# Altium PCB MB1166.PcbDoc (part 7 of 39) (continued)
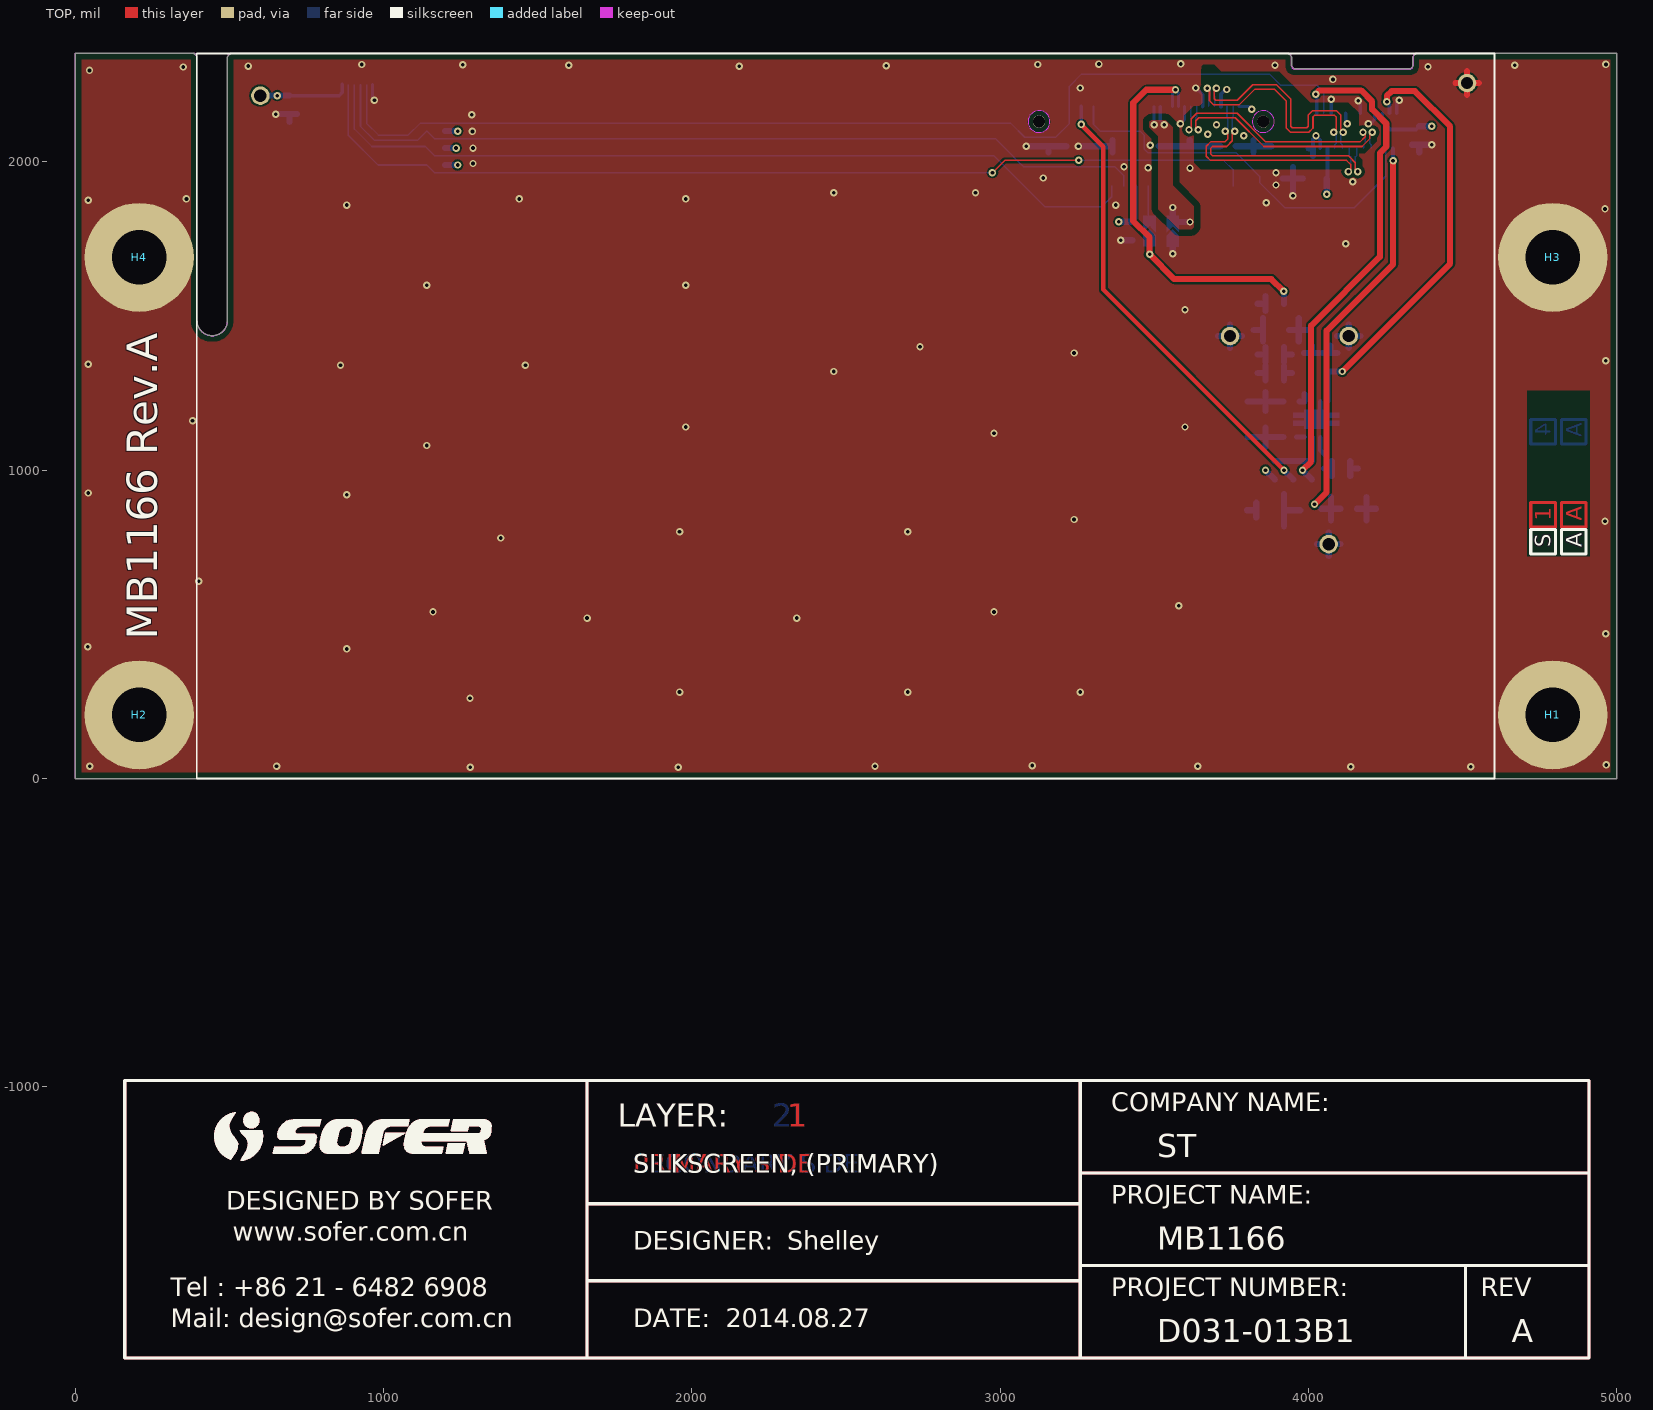
[diagram p0: TOP view]
## Nets (pads, with @x,y where several pads share a name; then routed paths per layer and width w, separated by ;. In a path a pad name is that pad's centre, name@x,y a point inside that pad or via, vN(x,y) a via of type N, cw(c..) or ccw(c..) an arc to the next point about the centre after c; other vN are vias at no path point) (continued)
933.73,-1197.57 ; 933.73,-1197.57 933.81,-1197.17 ; 933.73,-1197.57 933.81,-1197.17 ; 933.81,-1197.17 933.83,-1197.08 ; 933.81,-1197.17 933.83,-1197.08 ; 933.83,-1197.08 933.89,-1196.78 ; 933.83,-1197.08 933.89,-1196.78 ; 933.89,-1196.78 933.91,-1196.69 ; 933.89,-1196.78 933.91,-1196.69 ; 933.91,-1196.69 933.99,-1196.29 ; 933.91,-1196.69 933.99,-1196.29 ; 933.99,-1196.29 934.01,-1196.2 ; 933.99,-1196.29 934.01,-1196.2 ; 934.01,-1196.2 934.03,-1196.1 ; 934.01,-1196.2 934.03,-1196.1 ; 934.03,-1196.1 934.06,-1196 ; 934.03,-1196.1 934.06,-1196 ; 934.06,-1196 934.1,-1195.8 ; 934.06,-1196 934.1,-1195.8 ; 934.1,-1195.8 934.12,-1195.71 ; 934.1,-1195.8 934.12,-1195.71 ; 934.12,-1195.71 934.18,-1195.41 ; 934.12,-1195.71 934.18,-1195.41 ; 934.18,-1195.41 934.2,-1195.32 ; 934.18,-1195.41 934.2,-1195.32 ; 934.2,-1195.32 934.28,-1194.92 ; 934.2,-1195.32 934.28,-1194.92 ; 934.28,-1194.92 934.3,-1194.83 ; 934.28,-1194.92 934.3,-1194.83 ; 934.3,-1194.83 934.38,-1194.43 ; 934.3,-1194.83 934.38,-1194.43 ; 934.38,-1194.43 934.4,-1194.34 ; 934.38,-1194.43 934.4,-1194.34 ; 934.4,-1194.34 934.44,-1194.14 ; 934.4,-1194.34 934.44,-1194.14 ; 934.44,-1194.14 934.47,-1194.04 ; 934.44,-1194.14 934.47,-1194.04 ; 934.47,-1194.04 934.49,-1193.94 ; 934.47,-1194.04 934.49,-1193.94 ; 934.49,-1193.94 934.51,-1193.85 ; 934.49,-1193.94 934.51,-1193.85 ; 934.51,-1193.85 934.57,-1193.55 ; 934.51,-1193.85 934.57,-1193.55 ; 934.57,-1193.55 934.59,-1193.46 ; 934.57,-1193.55 934.59,-1193.46 ; 934.59,-1193.46 934.67,-1193.06 ; 934.59,-1193.46 934.67,-1193.06 ; 934.67,-1193.06 934.69,-1192.97 ; 934.67,-1193.06 934.69,-1192.97 ; 934.69,-1192.97 934.77,-1192.57 ; 934.69,-1192.97 934.77,-1192.57 ; 934.77,-1192.57 934.79,-1192.48 ; 934.77,-1192.57 934.79,-1192.48 ; 934.79,-1192.48 934.81,-1192.38 ; 934.78,-1192.52 1020.57,-1106.74 934.78,-1192.52 ; 934.79,-1192.48 934.81,-1192.38 ; 934.81,-1192.38 934.84,-1192.28 ; 934.81,-1192.38 934.84,-1192.28 ; 934.84,-1192.28 934.86,-1192.18 ; 934.84,-1192.28 934.86,-1192.18 ; 934.86,-1192.18 934.88,-1192.09 ; 934.86,-1192.18 934.88,-1192.09 ; 934.88,-1192.09 934.96,-1191.69 ; 934.88,-1192.09 934.96,-1191.69 ; 934.96,-1191.69 934.98,-1191.6 ; 934.96,-1191.69 934.98,-1191.6 ; 934.98,-1191.6 935.06,-1191.2 ; 934.98,-1191.6 935.06,-1191.2 ; 935.06,-1191.2 935.08,-1191.11 ; 935.06,-1191.2 935.08,-1191.11 ; 935.08,-1191.11 935.14,-1190.81 ; 935.08,-1191.11 935.14,-1190.81 ; 935.14,-1190.81 935.16,-1190.72 ; 935.14,-1190.81 935.16,-1190.72 ; 935.16,-1190.72 935.18,-1190.62 ; 935.16,-1190.72 935.18,-1190.62 ; 935.18,-1190.62 935.21,-1190.52 ; 935.18,-1190.62 935.21,-1190.52 ; 935.21,-1190.52 935.25,-1190.32 ; 935.21,-1190.52 935.25,-1190.32 ; 935.25,-1190.32 935.27,-1190.23 ; 935.25,-1190.32 935.27,-1190.23 ; 935.27,-1190.23 935.35,-1189.83 ; 935.27,-1190.23 935.35,-1189.83 ; 935.35,-1189.83 935.37,-1189.74 ; 935.35,-1189.83 935.37,-1189.74 ; 935.37,-1189.74 935.43,-1189.44 ; 935.37,-1189.74 935.43,-1189.44 ; 935.43,-1189.44 935.45,-1189.35 ; 935.43,-1189.44 935.45,-1189.35 ; 935.45,-1189.35 935.51,-1189.05 ; 935.45,-1189.35 935.51,-1189.05 ; 935.51,-1189.05 935.54,-1188.95 ; 935.51,-1189.05 935.54,-1188.95 ; 935.54,-1188.95 935.56,-1188.86 ; 935.54,-1188.95 935.56,-1188.86 ; 935.56,-1188.86 935.64,-1188.46 ; 935.56,-1188.86 935.64,-1188.46 ; 935.64,-1188.46 935.66,-1188.37 ; 935.64,-1188.46 935.66,-1188.37 ; 935.66,-1188.37 935.72,-1188.07 ; 935.66,-1188.37 935.72,-1188.07 ; 935.72,-1188.07 935.74,-1187.98 ; 935.72,-1188.07 935.74,-1187.98 ; 935.74,-1187.98 935.8,-1187.68 ; 935.74,-1187.98 935.8,-1187.68 ; 935.8,-1187.68 935.83,-1187.58 ; 935.8,-1187.68 935.83,-1187.58 ; 935.83,-1187.58 935.85,-1187.49 ; 935.83,-1187.58 935.85,-1187.49 ; 935.85,-1187.49 935.91,-1187.19 ; 935.85,-1187.49 935.91,-1187.19 ; 935.91,-1187.19 935.93,-1187.1 ; 935.91,-1187.19 935.93,-1187.1 ; 935.93,-1187.1 936.01,-1186.7 ; 935.93,-1187.1 936.01,-1186.7 ; 936.01,-1186.7 936.03,-1186.61 ; 936.01,-1186.7 936.03,-1186.61 ; 936.03,-1186.61 936.07,-1186.41 ; 936.03,-1186.61 936.07,-1186.41 ; 936.07,-1186.41 936.1,-1186.31 ; 936.07,-1186.41 936.1,-1186.31 ; 936.1,-1186.31 936.12,-1186.21 ; 936.1,-1186.31 936.12,-1186.21 ; 936.12,-1186.21 936.14,-1186.12 ; 936.12,-1186.21 936.14,-1186.12 ; 936.14,-1186.12 936.2,-1185.82 ; 936.14,-1186.12 936.2,-1185.82 ; 936.2,-1185.82 936.22,-1185.73 ; 936.2,-1185.82 936.22,-1185.73 ; 936.22,-1185.73 936.3,-1185.33 ; 936.22,-1185.73 936.3,-1185.33 ; 936.3,-1185.33 936.32,-1185.24 ; 936.3,-1185.33 936.32,-1185.24 ; 936.32,-1185.24 936.34,-1185.14 ; 936.32,-1185.24 936.34,-1185.14 ; 936.34,-1185.14 936.37,-1185.04 ; 936.34,-1185.14 936.37,-1185.04 ; 936.37,-1185.04 936.39,-1184.94 ; 936.37,-1185.04 936.39,-1184.94 ; 936.39,-1184.94 936.41,-1184.85 ; 936.39,-1184.94 936.41,-1184.85 ; 936.41,-1184.85 936.49,-1184.45 ; 936.41,-1184.85 936.49,-1184.45 ; 936.49,-1184.45 936.51,-1184.36 ; 936.49,-1184.45 936.51,-1184.36 ; 936.51,-1184.36 936.57,-1184.06 ; 936.51,-1184.36 936.57,-1184.06 ; 936.57,-1184.06 936.6,-1183.97 ; 936.57,-1184.06 936.6,-1183.97 ; 936.6,-1183.97 936.68,-1183.57 ; 936.6,-1183.97 936.68,-1183.57 ; 936.68,-1183.57 936.7,-1183.48 ; 936.68,-1183.57 936.7,-1183.48 ; 936.7,-1183.48 936.76,-1183.18 ; 936.7,-1183.48 936.76,-1183.18 ; 936.76,-1183.18 936.78,-1183.09 ; 936.76,-1183.18 936.78,-1183.09 ; 936.78,-1183.09 936.81,-1182.99 ; 936.78,-1183.09 936.81,-1182.99 ; 936.81,-1182.99 936.87,-1182.69 ; 936.81,-1182.99 936.87,-1182.69 ; 936.87,-1182.69 936.89,-1182.6 ; 936.87,-1182.69 936.89,-1182.6 ; 936.89,-1182.6 936.95,-1182.3 ; 936.89,-1182.6 936.95,-1182.3 ; 936.95,-1182.3 936.97,-1182.21 ; 936.95,-1182.3 936.97,-1182.21 ; 936.97,-1182.21 936.99,-1182.11 ; 936.97,-1182.21 936.99,-1182.11 ; 936.99,-1182.11 937.02,-1182.01 ; 936.99,-1182.11 937.02,-1182.01 ; 937.02,-1182.01 937.06,-1181.81 ; 937.02,-1182.01 937.06,-1181.81 ; 937.06,-1181.81 937.08,-1181.72 ; 937.06,-1181.81 937.08,-1181.72 ; 937.08,-1181.72 937.14,-1181.42 ; 937.08,-1181.72 937.14,-1181.42 ; 937.14,-1181.42 937.16,-1181.33 ; 937.14,-1181.42 937.16,-1181.33 ; 937.16,-1181.33 937.18,-1181.23 ; 937.16,-1181.33 937.18,-1181.23 ; 937.18,-1181.23 937.21,-1181.13 ; 937.18,-1181.23 937.21,-1181.13 ; 937.21,-1181.13 937.25,-1180.93 ; 937.21,-1181.13 937.25,-1180.93 ; 937.25,-1180.93 937.27,-1180.84 ; 937.25,-1180.93 937.27,-1180.84 ; 937.27,-1180.84 937.33,-1180.54 ; 937.27,-1180.84 937.33,-1180.54 ; 937.33,-1180.54 937.35,-1180.45 ; 937.33,-1180.54 937.35,-1180.45 ; 937.35,-1180.45 937.37,-1180.35 ; 937.35,-1180.45 937.37,-1180.35 ; 937.37,-1180.35 937.4,-1180.25 ; 937.37,-1180.35 937.4,-1180.25 ; 937.4,-1180.25 937.42,-1180.15 ; 937.4,-1180.25 937.42,-1180.15 ; 937.42,-1180.15 937.44,-1180.06 ; 937.42,-1180.15 937.44,-1180.06 ; 937.44,-1180.06 937.52,-1179.66 ; 937.44,-1180.06 937.52,-1179.66 ; 937.52,-1179.66 937.54,-1179.57 ; 937.52,-1179.66 937.54,-1179.57 ; 937.54,-1179.57 937.57,-1179.47 ; 937.54,-1179.57 937.57,-1179.47 ; 937.57,-1179.47 937.61,-1179.27 ; 937.57,-1179.47 937.61,-1179.27 ; 937.61,-1179.27 937.63,-1179.18 ; 937.61,-1179.27 937.63,-1179.18 ; 937.63,-1179.18 937.69,-1178.88 ; 937.63,-1179.18 937.69,-1178.88 ; 937.69,-1178.88 937.72,-1178.79 ; 937.69,-1178.88 937.72,-1178.79 ; 937.72,-1178.79 937.8,-1178.39 ; 937.72,-1178.79 937.8,-1178.39 ; 937.8,-1178.39 937.82,-1178.3 ; 937.8,-1178.39 937.82,-1178.3 ; 937.82,-1178.3 937.86,-1178.1 ; 937.82,-1178.3 937.86,-1178.1 ; 937.86,-1178.1 937.89,-1178 ; 937.86,-1178.1 937.89,-1178 ; 937.89,-1178 937.91,-1177.91 ; 937.89,-1178 937.91,-1177.91 ; 937.91,-1177.91 937.97,-1177.61 ; 937.91,-1177.91 937.97,-1177.61 ; 937.97,-1177.61 937.99,-1177.52 ; 937.97,-1177.61 937.99,-1177.52 ; 937.99,-1177.52 938.01,-1177.42 ; 937.99,-1177.52 938.01,-1177.42 ; 938.01,-1177.42 938.04,-1177.32 ; 938.01,-1177.42 938.04,-1177.32 ; 938.04,-1177.32 938.08,-1177.12 ; 938.04,-1177.32 938.08,-1177.12 ; 938.08,-1177.12 938.1,-1177.03 ; 938.08,-1177.12 938.1,-1177.03 ; 938.1,-1177.03 938.14,-1176.83 ; 938.1,-1177.03 938.14,-1176.83 ; 938.14,-1176.83 938.17,-1176.73 ; 938.14,-1176.83 938.17,-1176.73 ; 938.17,-1176.73 938.19,-1176.64 ; 938.17,-1176.73 938.19,-1176.64 ; 938.19,-1176.64 938.25,-1176.34 ; 938.19,-1176.64 938.25,-1176.34 ; 938.25,-1176.34 938.27,-1176.25 ; 938.25,-1176.34 938.27,-1176.25 ; 938.27,-1176.25 938.29,-1176.15 ; 938.27,-1176.25 938.29,-1176.15 ; 938.29,-1176.15 938.32,-1176.05 ; 938.29,-1176.15 938.32,-1176.05 ; 938.32,-1176.05 938.34,-1175.95 ; 938.32,-1176.05 938.34,-1175.95 ; 938.34,-1175.95 938.36,-1175.86 ; 938.34,-1175.95 938.36,-1175.86 ; 938.36,-1175.86 938.42,-1175.56 ; 938.36,-1175.86 938.42,-1175.56 ; 938.42,-1175.56 938.45,-1175.46 ; 938.42,-1175.56 938.45,-1175.46 ; 938.45,-1175.46 938.47,-1175.37 ; 938.45,-1175.46 938.47,-1175.37 ; 938.47,-1175.37 938.53,-1175.07 ; 938.47,-1175.37 1007.1,-1106.74 938.47,-1175.37 ; 938.47,-1175.37 938.53,-1175.07 ; 938.53,-1175.07 938.55,-1174.98 ; 938.53,-1175.07 938.55,-1174.98 ; 938.55,-1174.98 938.58,-1174.88 ; 938.55,-1174.98 938.58,-1174.88 ; 938.58,-1174.88 938.62,-1174.68 ; 938.58,-1174.88 938.62,-1174.68 ; 938.62,-1174.68 938.64,-1174.59 ; 938.62,-1174.68 938.64,-1174.59 ; 938.64,-1174.59 938.66,-1174.49 ; 938.64,-1174.59 938.66,-1174.49 ; 938.66,-1174.49 938.69,-1174.39 ; 938.66,-1174.49 938.69,-1174.39 ; 938.69,-1174.39 938.71,-1174.29 ; 938.69,-1174.39 938.71,-1174.29 ; 938.71,-1174.29 938.73,-1174.2 ; 938.71,-1174.29 938.73,-1174.2 ; 938.73,-1174.2 938.79,-1173.9 ; 938.73,-1174.2 938.79,-1173.9 ; 938.79,-1173.9 938.82,-1173.81 ; 938.79,-1173.9 938.82,-1173.81 ; 938.82,-1173.81 938.88,-1173.51 ; 938.82,-1173.81 938.88,-1173.51 ; 938.88,-1173.51 938.9,-1173.42 ; 938.88,-1173.51 938.9,-1173.42 ; 938.9,-1173.42 938.93,-1173.32 ; 938.9,-1173.42 938.93,-1173.32 ; 938.93,-1173.32 938.99,-1173.02 ; 938.93,-1173.32 938.99,-1173.02 ; 938.99,-1173.02 939.01,-1172.93 ; 938.99,-1173.02 939.01,-1172.93 ; 939.01,-1172.93 939.04,-1172.83 ; 939.01,-1172.93 939.04,-1172.83 ; 939.04,-1172.83 939.08,-1172.63 ; 939.04,-1172.83 939.08,-1172.63 ; 939.08,-1172.63 939.1,-1172.54 ; 939.08,-1172.63 939.1,-1172.54 ; 939.1,-1172.54 939.12,-1172.44 ; 939.1,-1172.54 939.12,-1172.44 ; 939.12,-1172.44 939.15,-1172.34 ; 939.12,-1172.47 1004.85,-1106.74 939.12,-1172.47 ; 939.12,-1172.44 939.15,-1172.34 ; 939.15,-1172.34 939.17,-1172.24 ; 939.15,-1172.34 939.17,-1172.24 ; 939.17,-1172.24 939.19,-1172.15 ; 939.17,-1172.24 939.19,-1172.15 ; 939.19,-1172.15 939.23,-1171.95 ; 939.19,-1172.15 939.23,-1171.95 ; 939.23,-1171.95 939.26,-1171.85 ; 939.23,-1171.95 939.26,-1171.85 ; 939.26,-1171.85 939.28,-1171.76 ; 939.26,-1171.85 939.28,-1171.76 ; 939.28,-1171.76 939.34,-1171.46 ; 939.28,-1171.76 939.34,-1171.46 ; 939.34,-1171.46 939.37,-1171.37 ; 939.34,-1171.46 939.37,-1171.37 ; 939.37,-1171.37 939.43,-1171.07 ; 939.37,-1171.37 939.43,-1171.07 ; 939.43,-1171.07 939.46,-1170.98 ; 939.43,-1171.07 939.46,-1170.98 ; 939.46,-1170.98 939.52,-1170.68 ; 939.46,-1170.98 939.52,-1170.68 ; 939.52,-1170.68 939.54,-1170.59 ; 939.52,-1170.68 939.54,-1170.59 ; 939.54,-1170.59 939.57,-1170.49 ; 939.54,-1170.59 939.57,-1170.49 ; 939.57,-1170.49 939.61,-1170.29 ; 939.57,-1170.49 939.61,-1170.29 ; 939.61,-1170.29 939.63,-1170.2 ; 939.61,-1170.29 939.63,-1170.2 ; 939.63,-1170.2 939.66,-1170.1 ; 939.63,-1170.2 939.66,-1170.1 ; 939.66,-1170.1 939.7,-1169.9 ; 939.66,-1170.1 939.7,-1169.9 ; 939.7,-1169.9 939.72,-1169.81 ; 939.7,-1169.9 939.72,-1169.81 ; 939.72,-1169.81 939.75,-1169.71 ; 939.72,-1169.81 939.75,-1169.71 ; 939.75,-1169.71 939.79,-1169.51 ; 939.75,-1169.71 939.79,-1169.51 ; 939.79,-1169.51 939.81,-1169.42 ; 939.79,-1169.51 939.81,-1169.42 ; 939.81,-1169.42 939.84,-1169.32 ; 939.81,-1169.42 939.84,-1169.32 ; 939.84,-1169.32 939.88,-1169.12 ; 939.84,-1169.32 939.88,-1169.12 ; 939.88,-1169.12 939.9,-1169.03 ; 939.88,-1169.12 939.9,-1169.03 ; 939.9,-1169.03 939.92,-1168.93 ; 939.9,-1169.03 939.92,-1168.93 ; 939.92,-1168.93 939.95,-1168.83 ; 939.92,-1168.93 939.95,-1168.83 ; 939.95,-1168.83 939.97,-1168.74 ; 939.95,-1168.83 939.97,-1168.74 ; 939.97,-1168.74 939.99,-1168.64 ; 939.97,-1168.74 939.99,-1168.64 ; 939.99,-1168.64 940.02,-1168.54 ; 939.99,-1168.64 940.02,-1168.54 ; 940.02,-1168.54 940.04,-1168.44 ; 940.02,-1168.54 940.04,-1168.44 ; 940.04,-1168.44 940.06,-1168.35 ; 940.04,-1168.44 940.06,-1168.35 ; 940.06,-1168.35 940.08,-1168.25 ; 940.06,-1168.35 940.08,-1168.25 ; 940.08,-1168.25 940.11,-1168.15 ; 940.08,-1168.25 940.11,-1168.15 ; 940.11,-1168.15 940.13,-1168.05 ; 940.11,-1168.15 940.13,-1168.05 ; 940.13,-1168.05 940.15,-1167.96 ; 940.13,-1168.05 940.15,-1167.96 ; 940.15,-1167.96 940.17,-1167.86 ; 940.15,-1167.96 940.17,-1167.86 ; 940.17,-1167.86 940.2,-1167.76 ; 940.17,-1167.86 940.2,-1167.76 ; 940.2,-1167.76 940.22,-1167.66 ; 940.2,-1167.76 940.22,-1167.66 ; 940.22,-1167.66 940.24,-1167.57 ; 940.22,-1167.66 940.24,-1167.57 ; 940.24,-1167.57 940.26,-1167.47 ; 940.24,-1167.57 940.26,-1167.47 ; 940.26,-1167.47 940.29,-1167.37 ; 940.26,-1167.47 940.29,-1167.37 ; 940.29,-1167.37 940.31,-1167.27 ; 940.29,-1167.37 940.31,-1167.27 ; 940.31,-1167.27 940.33,-1167.18 ; 940.31,-1167.27 940.33,-1167.18 ; 940.33,-1167.18 940.36,-1167.08 ; 940.33,-1167.18 940.36,-1167.08 ; 940.36,-1167.08 940.4,-1166.88 ; 940.36,-1167.08 940.4,-1166.88 ; 940.4,-1166.88 940.42,-1166.79 ; 940.4,-1166.88 940.42,-1166.79 ; 940.42,-1166.79 940.45,-1166.69 ; 940.42,-1166.79 940.45,-1166.69 ; 940.45,-1166.69 940.47,-1166.59 ; 940.45,-1166.69 940.47,-1166.59 ; 940.47,-1166.59 940.49,-1166.5 ; 940.47,-1166.59 940.49,-1166.5 ; 940.49,-1166.5 940.51,-1166.4 ; 940.49,-1166.5 940.51,-1166.4 ; 940.51,-1166.4 940.54,-1166.3 ; 940.51,-1166.4 940.54,-1166.3 ; 940.54,-1166.3 940.56,-1166.2 ; 940.54,-1166.3 940.56,-1166.2 ; 940.56,-1166.2 940.58,-1166.11 ; 940.56,-1166.2 940.58,-1166.11 ; 940.58,-1166.11 940.61,-1166.01 ; 940.58,-1166.11 940.61,-1166.01 ; 940.61,-1166.01 940.65,-1165.81 ; 940.61,-1166.01 940.65,-1165.81 ; 940.65,-1165.81 940.68,-1165.72 ; 940.65,-1165.81 940.68,-1165.72 ; 940.68,-1165.72 940.74,-1165.42 ; 940.68,-1165.72 940.74,-1165.42 ; 940.74,-1165.42 940.77,-1165.33 ; 940.74,-1165.42 940.77,-1165.33 ; 940.77,-1165.33 940.81,-1165.13 ; 940.77,-1165.33 940.81,-1165.13 ; 940.81,-1165.13 940.84,-1165.04 ; 940.81,-1165.13 940.84,-1165.04 ; 940.84,-1165.04 940.88,-1164.84 ; 940.84,-1165.04 940.88,-1164.84 ; 940.88,-1164.84 940.91,-1164.74 ; 940.88,-1164.84 940.91,-1164.74 ; 940.91,-1164.74 940.93,-1164.65 ; 940.91,-1164.74 940.93,-1164.65 ; 940.93,-1164.65 940.95,-1164.55 ; 940.93,-1164.65 940.95,-1164.55 ; 940.95,-1164.55 940.98,-1164.45 ; 940.95,-1164.55 940.98,-1164.45 ; 940.98,-1164.45 941,-1164.35 ; 940.98,-1164.45 941,-1164.35 ; 941,-1164.35 941.02,-1164.26 ; 941,-1164.35 941.02,-1164.26 ; 941.02,-1164.26 941.05,-1164.16 ; 941.02,-1164.26 941.05,-1164.16 ; 941.05,-1164.16 941.07,-1164.06 ; 941.05,-1164.16 941.07,-1164.06 ; 941.07,-1164.06 941.09,-1163.97 ; 941.07,-1164.06 941.09,-1163.97 ; 941.09,-1163.97 941.12,-1163.87 ; 941.09,-1163.97 941.12,-1163.87 ; 941.12,-1163.87 941.16,-1163.67 ; 941.12,-1163.87 941.16,-1163.67 ; 941.16,-1163.67 941.18,-1163.58 ; 941.16,-1163.67 941.18,-1163.58 ; 941.18,-1163.58 941.21,-1163.48 ; 941.18,-1163.58 941.21,-1163.48 ; 941.21,-1163.48 941.23,-1163.38 ; 941.21,-1163.48 941.23,-1163.38 ; 941.23,-1163.38 941.26,-1163.28 ; 941.23,-1163.38 941.26,-1163.28 ; 941.26,-1163.28 941.28,-1163.19 ; 941.26,-1163.28 941.28,-1163.19 ; 941.28,-1163.19 941.3,-1163.09 ; 941.28,-1163.19 941.3,-1163.09 ; 941.3,-1163.09 941.33,-1162.99 ; 941.3,-1163.09 941.33,-1162.99 ; 941.33,-1162.99 941.35,-1162.9 ; 941.33,-1162.99 941.35,-1162.9 ; 941.35,-1162.9 941.37,-1162.8 ; 941.35,-1162.9 941.37,-1162.8 ; 941.37,-1162.8 941.4,-1162.7 ; 941.37,-1162.8 941.4,-1162.7 ; 941.4,-1162.7 941.42,-1162.6 ; 941.4,-1162.7 941.42,-1162.6 ; 941.42,-1162.6 941.44,-1162.51 ; 941.42,-1162.6 941.44,-1162.51 ; 941.44,-1162.51 941.47,-1162.41 ; 941.44,-1162.51 941.47,-1162.41 ; 941.47,-1162.41 941.49,-1162.31 ; 941.47,-1162.41 941.49,-1162.31 ; 941.49,-1162.31 941.51,-1162.22 ; 941.49,-1162.31 941.51,-1162.22 ; 941.51,-1162.22 941.54,-1162.12 ; 941.51,-1162.22 941.54,-1162.12 ; 941.54,-1162.12 941.58,-1161.92 ; 941.54,-1162.12 941.58,-1161.92 ; 941.58,-1161.92 941.61,-1161.83 ; 941.58,-1161.92 941.61,-1161.83 ; 941.61,-1161.83 941.63,-1161.73 ; 941.61,-1161.83 941.63,-1161.73 ; 941.63,-1161.73 941.66,-1161.63 ; 941.63,-1161.73 941.66,-1161.63 ; 941.66,-1161.63 941.68,-1161.54 ; 941.66,-1161.63 941.68,-1161.54 ; 941.68,-1161.54 941.7,-1161.44 ; 941.68,-1161.54 941.7,-1161.44 ; 941.7,-1161.44 941.73,-1161.34 ; 941.7,-1161.44 941.73,-1161.34 ; 941.73,-1161.34 941.75,-1161.24 ; 941.73,-1161.34 941.75,-1161.24 ; 941.75,-1161.24 941.77,-1161.15 ; 941.75,-1161.24 941.77,-1161.15 ; 941.77,-1161.15 941.8,-1161.05 ; 941.77,-1161.15 941.8,-1161.05 ; 941.8,-1161.05 941.82,-1160.95 ; 941.8,-1161.05 941.82,-1160.95 ; 941.82,-1160.95 941.85,-1160.86 ; 941.82,-1160.95 941.85,-1160.86 ; 941.85,-1160.86 941.89,-1160.66 ; 941.85,-1160.86 941.89,-1160.66 ; 941.89,-1160.66 941.92,-1160.56 ; 941.89,-1160.66 941.92,-1160.56 ; 941.92,-1160.56 941.94,-1160.47 ; 941.92,-1160.56 941.94,-1160.47 ; 941.94,-1160.47 941.96,-1160.37 ; 941.94,-1160.47 941.96,-1160.37 ; 941.96,-1160.37 941.99,-1160.27 ; 941.96,-1160.37 941.99,-1160.27 ; 941.99,-1160.27 942.01,-1160.18 ; 941.99,-1160.27 942.01,-1160.18 ; 942.01,-1160.18 942.04,-1160.08 ; 942.01,-1160.18 942.04,-1160.08 ; 942.04,-1160.08 942.06,-1159.98 ; 942.04,-1160.08 942.06,-1159.98 ; 942.06,-1159.98 942.09,-1159.88 ; 942.06,-1159.98 942.09,-1159.88 ; 942.09,-1159.88 942.11,-1159.79 ; 942.09,-1159.88 942.11,-1159.79 ; 942.11,-1159.79 942.13,-1159.69 ; 942.11,-1159.79 942.13,-1159.69 ; 942.13,-1159.69 942.16,-1159.59 ; 942.13,-1159.69 942.16,-1159.59 ; 942.16,-1159.59 942.18,-1159.5 ; 942.16,-1159.59 942.18,-1159.5 ; 942.18,-1159.5 942.21,-1159.4 ; 942.18,-1159.5 942.21,-1159.4 ; 942.21,-1159.4 942.23,-1159.3 ; 942.21,-1159.4 942.23,-1159.3 ; 942.23,-1159.3 942.26,-1159.21 ; 942.23,-1159.3 942.26,-1159.21 ; 942.26,-1159.21 942.3,-1159.01 ; 942.26,-1159.21 942.3,-1159.01 ; 942.3,-1159.01 942.33,-1158.91 ; 942.3,-1159.01 942.33,-1158.91 ; 942.33,-1158.91 942.35,-1158.82 ; 942.33,-1158.91 942.35,-1158.82 ; 942.35,-1158.82 942.38,-1158.72 ; 942.35,-1158.82 942.38,-1158.72 ; 942.38,-1158.72 942.4,-1158.62 ; 942.38,-1158.72 942.4,-1158.62 ; 942.4,-1158.62 942.43,-1158.53 ; 942.4,-1158.62 942.43,-1158.53 ; 942.43,-1158.53 942.45,-1158.43 ; 942.43,-1158.53 942.45,-1158.43 ; 942.45,-1158.43 942.48,-1158.33 ; 942.45,-1158.43 942.48,-1158.33 ; 942.48,-1158.33 942.5,-1158.24 ; 942.48,-1158.33 942.5,-1158.24 ; 942.5,-1158.24 942.53,-1158.14 ; 942.5,-1158.24 942.53,-1158.14 ; 942.53,-1158.14 942.55,-1158.04 ; 942.53,-1158.14 942.55,-1158.04 ; 942.55,-1158.04 942.58,-1157.95 ; 942.55,-1158.04 942.58,-1157.95 ; 942.58,-1157.95 942.6,-1157.85 ; 942.58,-1157.95 942.6,-1157.85 ; 942.6,-1157.85 942.63,-1157.75 ; 942.6,-1157.85 942.63,-1157.75 ; 942.63,-1157.75 942.65,-1157.66 ; 942.63,-1157.73 993.62,-1106.74 942.63,-1157.73 ; 942.63,-1157.75 942.65,-1157.66 ; 942.65,-1157.66 942.68,-1157.56 ; 942.65,-1157.66 942.68,-1157.56 ; 942.68,-1157.56 942.7,-1157.46 ; 942.68,-1157.56 942.7,-1157.46 ; 942.7,-1157.46 942.73,-1157.36 ; 942.7,-1157.46 942.73,-1157.36 ; 942.73,-1157.36 942.75,-1157.27 ; 942.73,-1157.36 942.75,-1157.27 ; 942.75,-1157.27 942.78,-1157.17 ; 942.75,-1157.27 942.78,-1157.17 ; 942.78,-1157.17 942.8,-1157.07 ; 942.78,-1157.17 942.8,-1157.07 ; 942.8,-1157.07 942.83,-1156.98 ; 942.8,-1157.07 942.83,-1156.98 ; 942.83,-1156.98 942.85,-1156.88 ; 942.83,-1156.98 942.85,-1156.88 ; 942.85,-1156.88 942.88,-1156.78 ; 942.85,-1156.88 942.88,-1156.78 ; 942.88,-1156.78 942.9,-1156.69 ; 942.88,-1156.78 942.9,-1156.69 ; 942.9,-1156.69 942.96,-1156.49 ; 942.9,-1156.69 942.96,-1156.49 ; 942.96,-1156.49 942.98,-1156.4 ; 942.96,-1156.49 942.98,-1156.4 ; 942.98,-1156.4 943.01,-1156.3 ; 942.98,-1156.4 943.01,-1156.3 ; 943.01,-1156.3 943.03,-1156.2 ; 943.01,-1156.3 943.03,-1156.2 ; 943.03,-1156.2 943.06,-1156.11 ; 943.03,-1156.2 943.06,-1156.11 ; 943.06,-1156.11 943.09,-1156.01 ; 943.06,-1156.11 943.09,-1156.01 ; 943.09,-1156.01 943.11,-1155.92 ; 943.09,-1156.01 943.11,-1155.92 ; 943.11,-1155.92 943.14,-1155.82 ; 943.11,-1155.92 943.14,-1155.82 ; 943.14,-1155.82 943.16,-1155.72 ; 943.14,-1155.82 943.16,-1155.72 ; 943.16,-1155.72 943.19,-1155.63 ; 943.16,-1155.72 943.19,-1155.63 ; 943.19,-1155.63 943.22,-1155.53 ; 943.19,-1155.63 943.22,-1155.53 ; 943.22,-1155.53 943.24,-1155.43 ; 943.22,-1155.53 943.24,-1155.43 ; 943.24,-1155.43 943.27,-1155.34 ; 943.24,-1155.43 943.27,-1155.34 ; 943.27,-1155.34 943.3,-1155.24 ; 943.27,-1155.34 943.3,-1155.24 ; 943.3,-1155.24 943.32,-1155.14 ; 943.3,-1155.24 943.32,-1155.14 ; 943.32,-1155.14 943.35,-1155.05 ; 943.32,-1155.14 943.35,-1155.05 ; 943.35,-1155.05 943.38,-1154.95 ; 943.35,-1155.05 943.38,-1154.95 ; 943.38,-1154.95 943.4,-1154.85 ; 943.38,-1154.95 943.4,-1154.85 ; 943.4,-1154.85 943.43,-1154.76 ; 943.4,-1154.85 943.43,-1154.76 ; 943.43,-1154.76 943.46,-1154.66 ; 943.43,-1154.76 943.46,-1154.66 ; 943.46,-1154.66 943.48,-1154.57 ; 943.46,-1154.66 991.24,-1106.88 943.46,-1154.66 ; 943.46,-1154.66 943.48,-1154.57 ; 943.48,-1154.57 943.54,-1154.37 ; 943.48,-1154.57 943.54,-1154.37 ; 943.54,-1154.37 943.57,-1154.28 ; 943.54,-1154.37 943.57,-1154.28 ; 943.57,-1154.28 943.59,-1154.18 ; 943.57,-1154.28 943.59,-1154.18 ; 943.59,-1154.18 943.62,-1154.08 ; 943.59,-1154.18 943.62,-1154.08 ; 943.62,-1154.08 943.65,-1153.99 ; 943.62,-1154.08 943.65,-1153.99 ; 943.65,-1153.99 943.68,-1153.89 ; 943.65,-1153.99 943.68,-1153.89 ; 943.68,-1153.89 943.7,-1153.8 ; 943.68,-1153.89 943.7,-1153.8 ; 943.7,-1153.8 943.76,-1153.6 ; 943.7,-1153.8 943.76,-1153.6 ; 943.76,-1153.6 943.79,-1153.51 ; 943.76,-1153.6 943.79,-1153.51 ; 943.79,-1153.51 943.81,-1153.41 ; 943.79,-1153.51 943.81,-1153.41 ; 943.81,-1153.41 943.84,-1153.32 ; 943.81,-1153.41 943.84,-1153.32 ; 943.84,-1153.32 943.9,-1153.12 ; 943.84,-1153.32 943.9,-1153.12 ; 943.9,-1153.12 943.93,-1153.03 ; 943.9,-1153.12 943.93,-1153.03 ; 943.93,-1153.03 943.96,-1152.93 ; 943.93,-1153.03 943.96,-1152.93 ; 943.96,-1152.93 943.98,-1152.84 ; 943.96,-1152.93 943.98,-1152.84 ; 943.98,-1152.84 944.04,-1152.64 ; 943.98,-1152.84 944.04,-1152.64 ; 944.04,-1152.64 944.07,-1152.55 ; 944.04,-1152.64 944.07,-1152.55 ; 944.07,-1152.55 944.1,-1152.45 ; 944.07,-1152.55 944.1,-1152.45 ; 944.1,-1152.45 944.13,-1152.36 ; 944.1,-1152.45 944.13,-1152.36 ; 944.13,-1152.36 944.16,-1152.26 ; 944.13,-1152.36 944.16,-1152.26 ; 944.16,-1152.26 944.19,-1152.17 ; 944.16,-1152.26 944.19,-1152.17 ; 944.19,-1152.17 944.22,-1152.07 ; 944.19,-1152.17 944.22,-1152.07 ; 944.22,-1152.07 944.25,-1151.98 ; 944.22,-1152.07 944.25,-1151.98 ; 944.25,-1151.98 944.27,-1151.88 ; 944.25,-1151.98 944.27,-1151.88 ; 944.27,-1151.88 944.3,-1151.78 ; 944.27,-1151.88 944.3,-1151.78 ; 944.3,-1151.78 944.33,-1151.69 ; 944.3,-1151.78 944.33,-1151.69 ; 944.33,-1151.69 944.36,-1151.59 ; 944.33,-1151.69 944.36,-1151.59 ; 944.36,-1151.59 944.39,-1151.5 ; 944.36,-1151.59 944.39,-1151.5 ; 944.39,-1151.5 944.42,-1151.4 ; 944.39,-1151.5 944.42,-1151.4 ; 944.42,-1151.4 944.45,-1151.31 ; 944.42,-1151.4 944.45,-1151.31 ; 944.45,-1151.31 944.48,-1151.21 ; 944.45,-1151.31 944.48,-1151.21 ; 944.48,-1151.21 944.51,-1151.12 ; 944.48,-1151.21 944.51,-1151.12 ; 944.51,-1151.12 944.54,-1151.02 ; 944.51,-1151.12 944.54,-1151.02 ; 944.54,-1151.02 944.57,-1150.93 ; 944.54,-1151.02 944.57,-1150.93 ; 944.57,-1150.93 944.6,-1150.83 ; 944.57,-1150.93 944.6,-1150.83 ; 944.6,-1150.83 944.64,-1150.73 ; 944.6,-1150.83 944.64,-1150.73 ; 944.64,-1150.73 944.67,-1150.64 ; 944.64,-1150.73 944.67,-1150.64 ; 944.67,-1150.64 944.7,-1150.54 ; 944.67,-1150.64 944.7,-1150.54 ; 944.7,-1150.54 944.73,-1150.45 ; 944.7,-1150.54 944.73,-1150.45 ; 944.73,-1150.45 944.76,-1150.35 ; 944.73,-1150.45 944.76,-1150.35 ; 944.76,-1150.35 944.79,-1150.26 ; 944.76,-1150.35 944.79,-1150.26 ; 944.79,-1150.26 944.82,-1150.16 ; 944.79,-1150.26 944.82,-1150.16 ; 944.82,-1150.16 944.85,-1150.07 ; 944.82,-1150.16 944.85,-1150.07 ; 944.85,-1150.07 944.88,-1149.97 ; 944.85,-1150.07 944.88,-1149.97 ; 944.88,-1149.97 944.92,-1149.88 ; 944.88,-1149.97 944.92,-1149.88 ; 944.92,-1149.88 944.95,-1149.78 ; 944.92,-1149.88 944.95,-1149.78 ; 944.95,-1149.78 945.01,-1149.6 ; 944.95,-1149.78 945.01,-1149.6 ; 945.01,-1149.6 945.04,-1149.5 ; 945.01,-1149.6 945.04,-1149.5 ; 945.04,-1149.5 945.07,-1149.41 ; 945.04,-1149.5 945.07,-1149.41 ; 945.07,-1149.41 945.11,-1149.31 ; 945.07,-1149.41 945.11,-1149.31 ; 945.11,-1149.31 945.14,-1149.22 ; 945.11,-1149.31 945.14,-1149.22 ; 945.14,-1149.22 945.17,-1149.12 ; 945.14,-1149.22 945.17,-1149.12 ; 945.17,-1149.12 945.2,-1149.03 ; 945.17,-1149.12 945.2,-1149.03 ; 945.2,-1149.03 945.24,-1148.93 ; 945.2,-1149.03 945.24,-1148.93 ; 945.24,-1148.93 945.27,-1148.84 ; 945.24,-1148.93 945.27,-1148.84 ; 945.27,-1148.84 945.3,-1148.74 ; 945.27,-1148.84 945.3,-1148.74 ; 945.3,-1148.74 945.34,-1148.65 ; 945.3,-1148.74 945.34,-1148.65 ; 945.34,-1148.65 945.37,-1148.56 ; 945.34,-1148.65 945.37,-1148.56 ; 945.37,-1148.56 945.4,-1148.46 ; 945.37,-1148.56 945.4,-1148.46 ; 945.4,-1148.46 945.44,-1148.37 ; 945.4,-1148.46 945.44,-1148.37 ; 945.44,-1148.37 945.47,-1148.27 ; 945.44,-1148.37 945.47,-1148.27 ; 945.47,-1148.27 945.5,-1148.18 ; 945.47,-1148.27 945.5,-1148.18 ; 945.5,-1148.18 945.54,-1148.08 ; 945.5,-1148.18 945.54,-1148.08 ; 945.54,-1148.08 945.6,-1147.9 ; 945.53,-1148.1 985.4,-1108.23 ; 945.54,-1148.08 945.6,-1147.9 ; 945.53,-1148.1 985.4,-1108.23 ; 945.6,-1147.9 945.64,-1147.8 ; 945.6,-1147.9 945.64,-1147.8 ; 945.64,-1147.8 945.67,-1147.71 ; 945.64,-1147.8 945.67,-1147.71 ; 945.67,-1147.71 945.71,-1147.61 ; 945.67,-1147.71 945.71,-1147.61 ; 945.71,-1147.61 945.74,-1147.52 ; 945.71,-1147.61 945.74,-1147.52 ; 945.74,-1147.52 945.78,-1147.43 ; 945.74,-1147.52 945.78,-1147.43 ; 945.78,-1147.43 945.81,-1147.33 ; 945.78,-1147.43 945.81,-1147.33 ; 945.81,-1147.33 945.85,-1147.24 ; 945.81,-1147.33 945.85,-1147.24 ; 945.85,-1147.24 945.88,-1147.15 ; 945.85,-1147.24 945.88,-1147.15 ; 945.88,-1147.15 945.92,-1147.05 ; 945.88,-1147.15 945.92,-1147.05 ; 945.92,-1147.05 945.95,-1146.96 ; 945.92,-1147.05 945.95,-1146.96 ; 945.95,-1146.96 945.99,-1146.87 ; 945.95,-1146.96 945.99,-1146.87 ; 945.99,-1146.87 946.02,-1146.77 ; 945.99,-1146.87 946.02,-1146.77 ; 946.02,-1146.77 946.06,-1146.68 ; 946.02,-1146.77 946.06,-1146.68 ; 946.06,-1146.68 946.1,-1146.58 ; 946.06,-1146.68 946.1,-1146.58 ; 946.1,-1146.58 946.13,-1146.49 ; 946.1,-1146.58 946.13,-1146.49 ; 946.13,-1146.49 946.17,-1146.4 ; 946.13,-1146.49 946.17,-1146.4 ; 946.17,-1146.4 946.2,-1146.31 ; 946.17,-1146.4 946.2,-1146.31 ; 946.2,-1146.31 946.24,-1146.21 ; 946.2,-1146.31 946.24,-1146.21 ; 946.24,-1146.21 946.28,-1146.12 ; 946.24,-1146.21 946.28,-1146.12 ; 946.28,-1146.12 946.31,-1146.03 ; 946.28,-1146.12 946.31,-1146.03 ; 946.31,-1146.03 946.35,-1145.93 ; 946.31,-1146.03 946.35,-1145.93 ; 946.35,-1145.93 946.39,-1145.84 ; 946.35,-1145.93 946.39,-1145.84 ; 946.39,-1145.84 946.42,-1145.75 ; 946.39,-1145.84 946.42,-1145.75 ; 946.42,-1145.75 946.46,-1145.65 ; 946.42,-1145.75 946.46,-1145.65 ; 946.46,-1145.65 946.54,-1145.47 ; 946.46,-1145.65 946.54,-1145.47 ; 946.54,-1145.47 946.57,-1145.38 ; 946.54,-1145.47 946.57,-1145.38 ; 946.57,-1145.38 946.61,-1145.28 ; 946.57,-1145.38 946.61,-1145.28 ; 946.61,-1145.28 946.73,-1145.01 ; 946.61,-1145.28 946.73,-1145.01 ; 946.73,-1145.01 946.76,-1144.91 ; 946.73,-1145.01 946.76,-1144.91 ; 946.76,-1144.91 946.88,-1144.64 ; 946.76,-1144.91 946.88,-1144.64 ; 946.88,-1144.64 946.92,-1144.54 ; 946.88,-1144.64 946.92,-1144.54 ; 946.92,-1144.54 947.12,-1144.09 ; 946.92,-1144.54 947.12,-1144.09 ; 947.12,-1144.09 947.15,-1143.99 ; 947.12,-1144.09 947.15,-1143.99 ; 947.15,-1143.99 947.27,-1143.72 ; 947.15,-1143.99 947.27,-1143.72 ; 947.27,-1143.72 947.32,-1143.63 ; 947.27,-1143.72 947.32,-1143.63 ; 947.32,-1143.63 947.36,-1143.54 ; 947.32,-1143.63 947.36,-1143.54 ; 947.36,-1143.54 947.4,-1143.44 ; 947.36,-1143.54 947.4,-1143.44